# Allegro board 1140022-KU060_PCIE_FIBER_BOARD_V001_pcb166_20240120_1835_pcb.brd (continued)
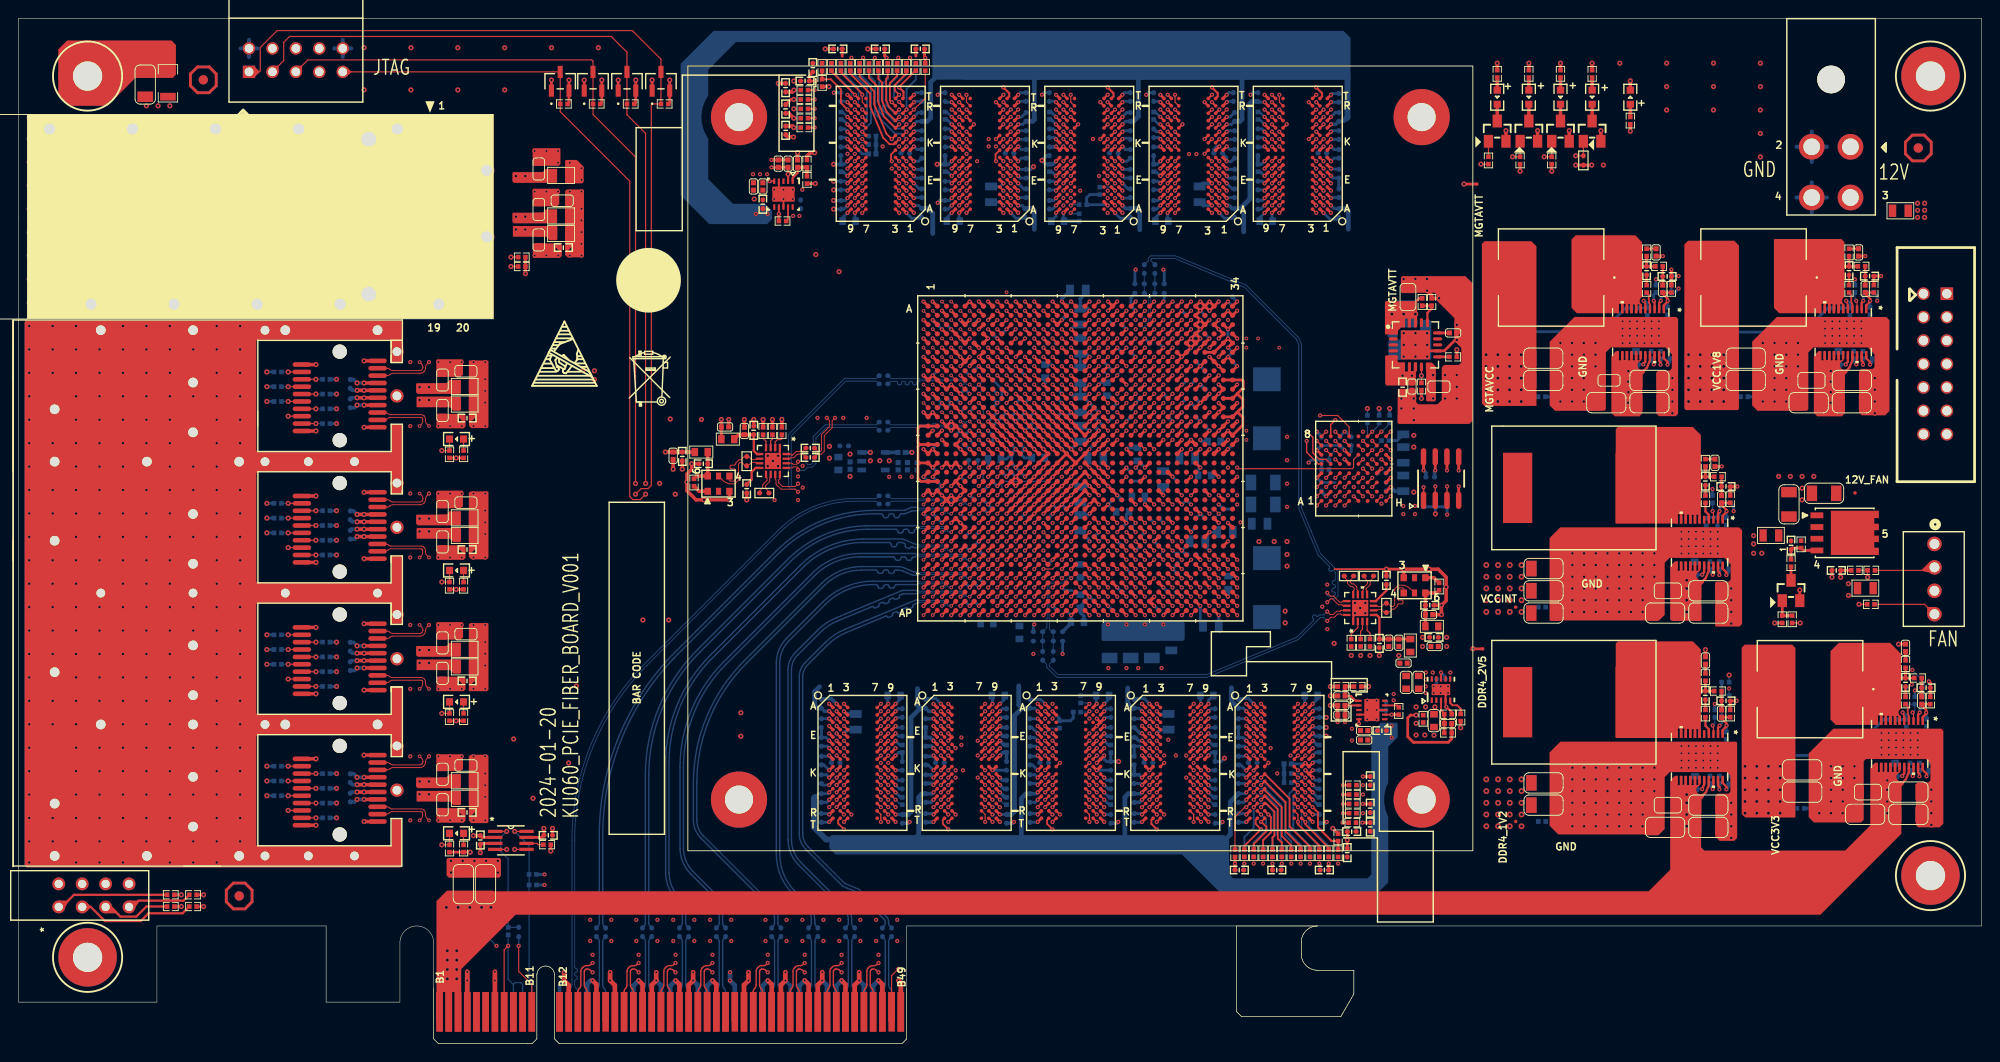
[diagram p0: board, top side]
## Routing (per net, layer and track width the routed paths; a pad name or vN(x,y) marks a point on that pad's centre or on a via; arc(x,y) is an arc through that point) (continued)
CHA_FPGA_DDR4_C1_DQS5_P: length 20.6
  TOP w0.145: v1(127.11,47.45) U1.AN29 ; U5.B7 v1(127.39,36.03)
  ART05 w0.102: v1(127.39,36.03) 127.71,36.03 127.81,36.13 127.81,36.98
  ART05 w0.14: 127.81,36.98 127.81,37.13 128.07,37.39 129.54,37.39 129.92,37.77 129.92,38.55 129.59,38.88 128.74,38.88 128.6,39.02 128.6,39.58 128.74,39.72 129.59,39.72 129.92,40.05 129.92,40.88 129.59,41.21 128.74,41.21 128.6,41.35 128.6,41.91 128.74,42.05 129.59,42.05 129.92,42.38 129.92,43.46 129.41,43.97 129.41,44.2 129.13,44.48 128.9,44.48 128.62,44.76 128.62,44.99 128.34,45.27 128.11,45.27 127.89,45.49 127.89,46.78 127.56,47.12 127.25,47.12 127.11,47.25 v1(127.11,47.45)
CHA_FPGA_DDR4_C1_DQS6_N: length 28.3
  TOP w0.145: U7.F3 v1(134.7,32.83)
  TOP w0.173: U1.AJ33 v1(131.11,51.45)
  ART03 w0.102: 132.54,50.79 132.52,50.79 132.45,50.85 131.74,50.85 131.5,51.09 131.5,51.7 131.35,51.85 131.21,51.85 131.11,51.75 v1(131.11,51.45)
  ART03 w0.14: v1(134.7,32.83) 134.93,32.6 135.12,32.6 135.25,32.74 135.25,37.64 133.87,39.02 133.17,39.02 132.84,39.36 132.84,40.19 133.17,40.52 133.57,40.52 133.71,40.66 133.71,41.35 133.57,41.49 132.94,41.49 132.61,41.83 132.61,42.66 132.94,42.99 133.37,42.99 133.5,43.13 133.5,43.69 133.37,43.83 132.94,43.83 132.61,44.16 132.61,44.99 132.94,45.32 133.59,45.32 133.73,45.46 133.73,49.93 133.58,50.09 133.3,50.09 133.04,50.34 133.04,50.62 132.87,50.79 132.54,50.79
CHA_FPGA_DDR4_C1_DQS6_P: length 29.3
  TOP w0.145: U7.G3 v1(134.7,32.03)
  TOP w0.173: U1.AH33 v1(131.11,52.45)
  ART03 w0.102: v1(131.11,52.45) 131.11,52.15 131.21,52.05 131.44,52.05 131.71,51.78 131.71,51.17 131.83,51.05 132.45,51.05 132.52,51.12 132.54,51.12
  ART03 w0.14: v1(134.7,32.03) 134.93,32.27 135.25,32.27 135.58,32.6 135.58,37.77 134,39.35 133.31,39.35 133.17,39.49 133.17,40.05 133.31,40.19 133.7,40.19 134.04,40.52 134.04,41.49 133.7,41.82 133.08,41.82 132.94,41.96 132.94,42.52 133.08,42.66 133.5,42.66 133.83,42.99 133.83,43.82 133.5,44.15 133.08,44.15 132.94,44.29 132.94,44.85 133.08,44.99 133.73,44.99 134.06,45.32 134.06,50.07 133.01,51.12 132.54,51.12
CHA_FPGA_DDR4_C1_DQS7_N: length 19
  TOP w0.145: U7.A7 v1(138.7,36.83)
  TOP w0.173: U1.AP34 v1(132.11,46.45)
  ART05 w0.14: v1(138.7,36.83) 138.76,36.89 138.76,37.42 138.56,37.62 138.56,37.98 138.76,38.18 138.76,38.7 138.35,39.11 138.16,39.11 137.56,38.52 137.1,38.52 136.51,39.11 136.51,39.58 137.1,40.17 137.1,40.36 136.7,40.76 136.51,40.76 135.92,40.17 135.45,40.17 134.86,40.76 134.86,41.23 135.45,41.82 135.45,42.01 133.91,43.55 133.91,45.97 133.09,46.79 132.44,46.79 v1(132.11,46.45)
CHA_FPGA_DDR4_C1_DQS7_P: length 20.3
  TOP w0.145: U7.B7 v1(138.7,36.03)
  TOP w0.173: U1.AN34 v1(132.11,47.45)
  ART05 w0.137: 139.1,37.12 139.1,36.43 v1(138.7,36.03)
  ART05 w0.14: 139.1,37.12 139.1,38.83 138.49,39.44 138.02,39.44 137.43,38.85 137.23,38.85 136.84,39.24 136.84,39.44 137.43,40.03 137.43,40.5 136.84,41.09 136.37,41.09 135.78,40.5 135.58,40.5 135.19,40.89 135.19,41.09 135.78,41.68 135.78,42.15 134.24,43.69 134.24,46.1 133.22,47.12 132.44,47.12 v1(132.11,47.45)
CHA_FPGA_DDR4_C1_DQS8_N: length 56.3
  TOP w0.145: v1(112.09,32.83) U6.F3 ; v1(112.11,55.45) U1.AE15
  ART10 w0.102: 127.45,46.96 127.45,46.99 127.51,47.05 127.51,51 126.5,52 126.5,54.77 125.42,55.85 115.87,55.85 114.87,54.85 112.78,54.85 112.51,55.12 112.51,55.35 112.4,55.45 v1(112.11,55.45)
  ART10 w0.14: 127.45,46.96 127.45,46.78 127.56,46.51 127.56,45.22 127.3,44.95 126.03,44.95 125.59,44.52 125.59,43.56 125.21,43.17 125.01,43.17 124.7,43.49 124.08,43.49 123.64,43.05 123.64,42.43 124.01,42.07 124.01,41.72 123.9,41.61 123.33,41.37 123.12,41.37 122.51,41.98 121.63,41.98 120.65,41.58 120.05,41.58 119.55,41.37 116.08,37.91 115.39,37.62 115.17,37.4 115.17,35.8 115.02,35.65 114.36,35.65 113.92,35.22 113.92,34.6 114.36,34.16 114.92,34.16 115.17,33.92 115.17,33.61 114.53,32.08 114.53,31.5 114.25,31.22 113.56,31.22 113.19,31.58 113.19,32.23 112.86,32.56 112.36,32.56 v1(112.09,32.83)
CHA_FPGA_DDR4_C1_DQS8_P: length 57.3
  TOP w0.145: v1(112.09,32.03) U6.G3 ; v1(113.11,55.45) U1.AE16
  ART10 w0.102: 127.77,46.96 127.77,46.99 127.71,47.05 127.71,51.08 126.71,52.08 126.71,54.85 125.51,56.05 115.78,56.05 114.79,55.05 112.86,55.05 112.71,55.21 112.71,55.35 112.81,55.45 v1(113.11,55.45)
  ART10 w0.14: 127.77,46.96 127.77,46.85 127.89,46.57 127.89,46.32 128.03,46.18 128.16,46.18 128.3,46.04 128.3,45.76 128.16,45.62 128.03,45.62 127.89,45.48 127.89,45.08 127.43,44.63 126.17,44.63 125.92,44.38 125.92,43.42 125.35,42.85 124.88,42.85 124.56,43.16 124.22,43.16 123.97,42.91 123.97,42.57 124.33,42.2 124.33,41.58 124.09,41.33 123.4,41.05 122.99,41.05 122.38,41.66 121.7,41.66 120.72,41.25 120.11,41.25 119.73,41.1 116.31,37.67 116.27,37.63 115.57,37.34 115.49,37.26 115.49,35.66 115.16,35.33 114.49,35.33 114.25,35.08 114.25,34.73 114.49,34.49 115.06,34.49 115.49,34.05 115.49,33.55 114.86,32.01 114.86,31.36 114.39,30.89 113.42,30.89 112.86,31.45 112.86,32.09 112.73,32.23 112.29,32.23 v1(112.09,32.03)
CHA_FPGA_DDR4_C1_ODT: length 123.5
  TOP w0.201: U4.K3 v1(100.79,28.83) ; U5.K3 v1(123.4,28.83) ; R107.1 140,21.34 137.79,23.55 137.79,26.53 U7.K3 v1(134.7,28.83) ; U6.K3 v1(112.09,28.83) ; U3.K3 v1(89.49,28.83)
  TOP w0.229: U1.AM15 v1(112.11,48.45)
  ART03 w0.137: v1(89.49,28.83) 89.09,29.23 89.09,29.84 88.99,29.93
  ART03 w0.155: 88.99,29.93 88.8,30.12 86.92,30.12 85.36,31.69 85.36,39.26 91.24,45.14 94.95,45.14 95.11,45.29 95.11,46.35 95.26,46.51 95.57,46.51 95.73,46.35 95.73,45.29 95.88,45.14 96.19,45.14 96.35,45.29 96.35,46.35 96.5,46.51 96.81,46.51 96.97,46.35 96.97,45.29 97.12,45.14 97.47,45.14 97.63,45.29 97.63,45.87 97.78,46.02 98.09,46.02 98.24,45.87 98.24,45.29 98.4,45.14 98.71,45.14 98.86,45.29 98.86,45.87 99.02,46.02 99.33,46.02 99.48,45.87 99.48,45.29 99.64,45.14 99.95,45.14 100.1,45.29 100.1,45.87 100.26,46.02 100.57,46.02 100.72,45.87 100.72,45.29 100.88,45.14 101.19,45.14 101.34,45.29 101.34,45.87 101.5,46.02 111.45,46.02 111.61,46.18 111.61,48.3 111.76,48.45 v1(112.11,48.45)
  ART12 w0.086: v1(134.7,28.83) 134.32,29.21 133.73,29.21 133.48,29.46 133.48,29.84 133.22,30.1 132.72,30.1 130.25,27.64 126.59,27.64 125.04,29.18 123.75,29.18 v1(123.4,28.83) 123.02,29.21 122.43,29.21 122.17,29.46 120.78,29.46 118.95,27.64 115.43,27.64 115.19,27.73 114.36,28.56 114.36,28.68 114.42,28.74 114.42,28.86 114.3,28.98 114.18,28.98 114.12,28.93 114,28.93 113.74,29.18 113.25,29.18 113.17,29.1 113.17,28.94 113.08,28.85 112.91,28.85 112.82,28.94 112.82,29.1 112.73,29.18 112.45,29.18 v1(112.09,28.83) 111.71,29.21 111.12,29.21 110.87,29.46 110.87,29.84 110.62,30.1 110.11,30.1 107.65,27.64 103.99,27.64 102.56,29.06 102.2,29.21 101.17,29.21 v1(100.79,28.83) 100.41,29.21 99.82,29.21 99.57,29.46 99.57,29.84 99.39,30.02 98.73,30.02 96.34,27.64 92.68,27.64 92.25,28.07 92.25,28.19 92.32,28.26 92.32,28.38 92.2,28.5 92.08,28.5 92.01,28.43 91.89,28.43 91.49,28.83 v1(89.49,28.83)
CHA_FPGA_DDR4_C1_PARITY: length 118.9
  TOP w0.201: U6.T3 v1(112.09,24.03) ; U3.T3 v1(89.49,24.03) ; U5.T3 v1(123.4,24.03) ; U4.T3 v1(100.79,24.03) ; R112.1 133.9,21.64 135.28,23.01 135.28,23.5 134.74,24.03 v1(134.7,24.03) U7.T3
  TOP w0.229: U1.AJ16 v1(113.11,51.45)
  ART05 w0.155: v1(89.49,24.03) 88.65,24.03 88.19,23.57 87.66,23.57 86.68,24.55 86.42,24.55 86.12,24.24 85.86,24.24 85.68,24.43 85.68,24.68 85.98,24.98 85.98,25.24 85.8,25.42 85.55,25.42 85.24,25.12 84.99,25.12 84.81,25.3 84.81,25.56 85.11,25.86 85.11,26.12 84.71,26.52 84.71,39.14 90.07,44.5 106.2,44.5 108.78,45.57 109.35,45.8 109.55,46 109.55,46.56 109.98,46.99 110.36,46.99 110.67,47.29 110.67,47.65 110.92,47.9 111.45,47.9 111.61,48.06 111.61,48.69 111.84,48.92 112.22,48.92 112.57,49.28 112.57,50.67 113.11,51.21 v1(113.11,51.45)
  ART12 w0.086: v1(134.7,24.03) 134.7,23.78 132.54,21.62 126.16,21.62 124.34,23.43 124.22,23.43 124.14,23.35 124.02,23.35 123.9,23.47 123.9,23.6 123.98,23.68 123.98,23.8 123.75,24.03 v1(123.4,24.03) 123.4,23.78 121.23,21.62 114.86,21.62 113.04,23.43 112.92,23.43 112.84,23.35 112.72,23.35 112.59,23.47 112.59,23.6 112.67,23.68 112.67,23.8 112.44,24.03 v1(112.09,24.03) 112.09,23.78 109.93,21.62 103.56,21.62 101.74,23.43 101.62,23.43 101.53,23.35 101.41,23.35 101.29,23.47 101.29,23.6 101.37,23.68 101.37,23.8 101.14,24.03 v1(100.79,24.03) 100.79,23.78 98.63,21.62 92.25,21.62 90.43,23.43 90.31,23.43 90.23,23.35 90.11,23.35 89.99,23.47 89.99,23.6 90.07,23.68 90.07,23.8 89.84,24.03 v1(89.49,24.03)
CHA_FPGA_DDR4_C1_RAS: length 120.2
  TOP w0.201: U3.L8 v1(94.29,28.03) ; U4.L8 v1(105.59,28.03) ; U5.L8 v1(128.2,28.03) ; U7.L8 v1(139.5,28.03) ; U6.L8 v1(116.89,28.03)
  TOP w0.229: R104.1 v1(143.58,28.02) ; U1.AK18 v1(116.11,50.45)
  ART03 w0.137: 87.07,32.13 87.57,31.63 91.18,31.63 91.32,31.49 91.32,30.92 91.45,30.78 91.73,30.78 91.87,30.92 91.87,31.49 92,31.63 92.28,31.63 92.41,31.49 92.41,30.92 92.55,30.78 92.83,30.78 92.96,30.92 92.96,31.49 93.1,31.63 93.77,31.63 93.88,31.52 93.88,28.43 v1(94.29,28.03)
  ART03 w0.155: 87.07,32.13 86.88,32.32 86.88,38.24 92.3,43.66 113,43.66 115.57,46.23 115.57,50.04 115.98,50.45 v1(116.11,50.45)
  ART10 w0.086: 140.58,28.43 139.97,28.43 139.58,28.03 v1(139.5,28.03) 139.28,28.03 138.89,27.64 136.51,27.64 136.41,27.53 136.41,27.3 136.31,27.2 136.11,27.2 136.01,27.3 136.01,27.53 135.9,27.64 132.26,27.64 130.66,29.24 130.18,29.24 129.92,28.98 129.67,28.98 129.41,29.24 128.73,29.24 128.6,29.11 128.6,28.65 128.2,28.25 v1(128.2,28.03) 127.98,28.03 127.58,27.64 125.21,27.64 125.11,27.53 125.11,27.3 125.01,27.2 124.81,27.2 124.7,27.3 124.7,27.53 124.6,27.64 120.95,27.64 119.35,29.24 118.87,29.24 118.62,28.98 118.36,28.98 118.11,29.24 117.42,29.24 117.3,29.11 117.3,28.65 116.89,28.25 v1(116.89,28.03) 116.68,28.03 116.28,27.64 113.91,27.64 113.81,27.53 113.81,27.3 113.71,27.2 113.5,27.2 113.4,27.3 113.4,27.53 113.3,27.64 109.65,27.64 108.05,29.24 107.57,29.24 107.32,28.98 107.06,28.98 106.81,29.24 106.12,29.24 105.99,29.11 105.99,28.65 105.59,28.25 v1(105.59,28.03) 105.37,28.03 104.98,27.64 102.61,27.64 102.5,27.53 102.5,27.3 102.4,27.2 102.2,27.2 102.1,27.3 102.1,27.53 102,27.64 98.35,27.64 96.75,29.24 96.27,29.24 96.01,28.98 95.76,28.98 95.5,29.24 94.82,29.24 94.69,29.11 94.69,28.65 94.29,28.25 v1(94.29,28.03)
  ART10 w0.155: 140.58,28.43 141.62,28.43 142.03,28.02 v1(143.58,28.02)
CHA_FPGA_DDR4_C1_RESET: length 103.8
  TOP w0.127: v1(133.1,25.63) 132.95,25.63 131.87,24.56 R82.2 ; v1(111.11,51.45) 112.11,51.45 U1.AJ15
  TOP w0.155: U3.P1 v1(87.89,25.63) ; U7.P1 v1(133.1,25.63) ; U6.P1 v1(110.49,25.63) ; U4.P1 v1(99.19,25.63) ; U5.P1 v1(121.8,25.63)
  ART03 w0.086: v1(87.89,25.63) 88.12,25.63 88.52,26.04 88.82,26.04 89.08,26.29 89.08,26.59 89.31,26.82 92.18,26.82 92.96,26.04 98.79,26.04 v1(99.19,25.63) 99.59,26.04 110.09,26.04 v1(110.49,25.63) 110.9,26.04 121.39,26.04 v1(121.8,25.63) 122.02,25.63 122.43,26.04 132.7,26.04 v1(133.1,25.63)
  ART10 w0.086: v1(111.11,51.45) 110.64,50.99 110.64,47.99 110.56,47.9 109.86,47.9 109.68,47.73 109.68,47.35 109.35,47.02 105.41,47.02 104.65,47.78 104.65,48.77 104.5,48.92 97,48.92 87.82,39.74 87.82,38.01 87.43,37.62 87.43,26.09 v1(87.89,25.63)
CHA_FPGA_DDR4_C1_WE: length 119.9
  TOP w0.201: U7.L2 v1(133.9,28.03) ; U4.L2 v1(99.99,28.03) ; U5.L2 v1(122.6,28.03) ; U3.L2 v1(88.69,28.03) ; U6.L2 v1(111.29,28.03)
  TOP w0.229: U1.AL14 v1(111.11,49.45)
  ART03 w0.137: 87.5,27.63 88.55,27.63 88.69,27.77 v1(88.69,28.03)
  ART03 w0.155: v1(111.11,49.45) 110.72,49.45 110.21,49.96 97.54,49.96 97.39,50.12 97.39,50.47 97.23,50.62 96.92,50.62 96.77,50.47 96.77,49.61 96.61,49.45 96.3,49.45 96.15,49.61 96.15,50.47 95.99,50.62 95.68,50.62 95.53,50.47 95.53,49.63 95.35,49.45 95.06,49.45 94.91,49.61 94.91,50.39 94.75,50.55 94.44,50.55 94.29,50.39 94.29,49.89 94.13,49.73 93.29,49.73 83.78,40.22 83.78,31.08 87.23,27.63 87.5,27.63
  ART12 w0.086: v1(133.9,28.03) 133.9,28.23 133.48,28.65 133.48,29.08 133.35,29.21 132.59,29.21 130.23,26.85 126.82,26.85 125.51,28.16 124.81,28.45 123.35,28.45 122.67,28.08 v1(122.6,28.03) 122.6,28.23 122.17,28.65 122.17,29.08 122.05,29.21 121.28,29.21 118.92,26.85 115.52,26.85 114.21,28.16 113.51,28.45 112.05,28.45 111.37,28.08 v1(111.29,28.03) 111.29,28.23 110.87,28.65 110.87,29.08 110.74,29.21 109.98,29.21 107.62,26.85 104.22,26.85 102.9,28.16 102.21,28.45 100.75,28.45 100.07,28.08 v1(99.99,28.03) 99.99,28.23 99.57,28.65 99.57,29.08 99.44,29.21 98.68,29.21 96.32,26.85 92.91,26.85 91.6,28.16 90.9,28.45 89.45,28.45 88.76,28.08 v1(88.69,28.03)
  BOTTOM w0.127: v1(133.9,28.03) 134.29,27.64 135.12,27.64 135.17,27.58
  BOTTOM w0.201: 135.17,27.58 136.85,25.91 136.85,22.01 136.95,21.9 R106.1
CHA_FPGA_DDR4_C2_A0: length 125.5
  TOP w0.201: U11.P3 94.35,101.59 94.06,102.3 94.06,104.6 94.23,104.77 R129.1
  TOP w0.229: U10.P3 v1(140.68,101.27) ; U13.P3 v1(106.77,101.27) ; U12.P3 v1(118.07,101.27) ; U11.P3 v1(95.47,101.27) ; U9.P3 v1(129.38,101.27) ; U1.E25 v1(123.11,76.45)
  ART05 w0.086: v1(140.68,101.27) 140.43,101.27 139.91,101.49 137.24,104.17 132.94,104.17 130.87,103.31 130.56,103 130.56,102.59 130.06,102.1 130.06,101.84 129.49,101.27 v1(129.38,101.27) 129.13,101.27 128.61,101.49 125.93,104.17 121.63,104.17 119.56,103.31 119.25,103 119.25,102.59 118.76,102.1 118.76,101.84 118.19,101.27 v1(118.07,101.27) 117.83,101.27 117.31,101.49 114.63,104.17 110.33,104.17 108.26,103.31 107.95,103 107.95,102.59 107.45,102.1 107.45,101.84 106.88,101.27 v1(106.77,101.27) 106.53,101.27 106.01,101.49 103.33,104.17 99.03,104.17 96.96,103.31 96.65,103 96.65,102.59 96.15,102.1 96.15,101.84 95.58,101.27 v1(95.47,101.27)
  ART12 w0.155: v1(140.68,101.27) 140.3,101.65 139.62,101.65 139.32,101.96 139.32,104.29 140.18,105.16 143.05,105.16 146.33,101.88 146.33,87.89 146.09,87.3 137.66,78.87 137.44,78.87 137.21,79.1 136.99,79.1 136.77,78.88 136.77,78.66 137,78.43 137,78.21 136.78,77.99 136.56,77.99 136.33,78.22 136.11,78.22 135.89,78.01 135.89,77.79 136.12,77.55 136.12,77.34 135.9,77.12 135.69,77.12 135.45,77.35 135.24,77.35 135.02,77.13 135.02,76.91 135.25,76.68 135.25,76.46 132.83,74.04 131.9,74.04 130.89,73.03 128.78,73.03 128.6,73.2 128.6,73.66 128.35,73.91 124.97,73.91 124.66,74.22 124.66,74.6 124.31,74.96 123.93,74.96 123.6,75.29 123.6,76.3 123.44,76.45 v1(123.11,76.45)
CHA_FPGA_DDR4_C2_A1: length 121.1
  TOP w0.229: U12.P7 v1(114.07,101.27) ; U10.P7 v1(136.68,101.27) ; U13.P7 v1(102.77,101.27) ; v1(127.11,79.45) U1.B29 ; U11.P7 v1(91.47,101.27) ; U9.P7 v1(125.38,101.27)
  ART03 w0.086: v1(91.47,101.27) 92.65,101.27 94.66,103.28 97.38,103.28 98.98,101.68 99.96,101.68 100.05,101.76 100.05,101.87 100.14,101.96 100.31,101.96 100.4,101.87 100.4,101.76 100.48,101.68 101.32,101.68 101.57,101.42 101.57,101.09 101.8,100.87 102.19,100.87 102.59,101.27 v1(102.77,101.27) 103.95,101.27 105.96,103.28 108.68,103.28 110.29,101.68 111.27,101.68 111.35,101.76 111.35,101.87 111.44,101.96 111.61,101.96 111.7,101.87 111.7,101.76 111.78,101.68 112.62,101.68 112.88,101.42 112.88,101.09 113.1,100.87 113.49,100.87 113.89,101.27 v1(114.07,101.27) 115.25,101.27 117.26,103.28 119.99,103.28 121.59,101.68 122.57,101.68 122.66,101.76 122.66,101.87 122.74,101.96 122.91,101.96 123,101.87 123,101.76 123.09,101.68 123.93,101.68 124.18,101.42 124.18,101.09 124.4,100.87 124.79,100.87 125.2,101.27 v1(125.38,101.27) 126.56,101.27 128.57,103.28 131.29,103.28 132.89,101.68 133.87,101.68 133.96,101.76 133.96,101.87 134.04,101.96 134.22,101.96 134.3,101.87 134.3,101.76 134.39,101.68 135.23,101.68 135.48,101.42 135.48,101.09 135.71,100.87 136.1,100.87 136.5,101.27 v1(136.68,101.27)
  ART03 w0.155: v1(136.68,101.27) 137.58,101.27 138.63,102.33 138.63,103.55 139.71,104.62 142.18,104.62 143.23,103.57 143.23,89.28 142.7,88.75 142.7,83.16 141.47,81.93 140.8,81.93 140.65,82.08 140.65,82.5 140.49,82.65 140.18,82.65 140.03,82.5 140.03,82.08 139.87,81.93 139.56,81.93 139.41,82.08 139.41,82.5 139.25,82.65 138.94,82.65 138.79,82.5 138.79,82.08 138.63,81.93 138.32,81.93 138.17,82.08 138.17,82.5 138.01,82.65 137.71,82.65 137.55,82.5 137.55,82.08 137.4,81.93 137.09,81.93 136.93,82.08 136.93,82.5 136.78,82.65 136.47,82.65 136.31,82.5 136.31,82.08 136.16,81.93 135.85,81.93 135.69,82.08 135.69,82.5 135.54,82.65 135.23,82.65 135.07,82.5 135.07,82.08 134.92,81.93 134.61,81.93 134.45,82.08 134.45,82.5 134.3,82.65 133.99,82.65 133.83,82.5 133.83,82.08 133.68,81.93 133.37,81.93 133.21,82.08 133.21,82.5 133.06,82.65 132.75,82.65 132.59,82.5 132.59,82.08 132.44,81.93 132.13,81.93 131.97,82.08 131.97,82.5 131.82,82.65 131.51,82.65 131.35,82.5 131.35,82.08 131.2,81.93 130.89,81.93 130.73,82.08 130.73,82.5 130.58,82.65 130.27,82.65 130.11,82.5 130.11,82.08 129.96,81.93 129.64,81.93 128.6,80.89 128.6,80.16 128.37,79.93 127.81,79.93 127.33,79.45 v1(127.11,79.45)
  BOTTOM w0.127: 91.06,103.58 91.06,101.68 v1(91.47,101.27)
  BOTTOM w0.201: R130.1 91.06,103.58
CHA_FPGA_DDR4_C2_A2: length 123.9
  TOP w0.201: v1(94.67,102.07) 94.46,102.28 94.46,104.14 95.25,104.92 R131.1
  TOP w0.229: U9.R3 v1(128.58,102.07) ; U12.R3 v1(117.27,102.07) ; U1.E26 v1(124.11,76.45) ; U11.R3 v1(94.67,102.07) ; U13.R3 v1(105.97,102.07) ; U10.R3 v1(139.88,102.07)
  ART05 w0.086: v1(139.88,102.07) 137.51,104.44 132.69,104.44 130.82,103.67 130.3,103.15 130.3,102.74 129.79,102.23 129.79,101.93 129.54,101.68 128.97,101.68 v1(128.58,102.07) 126.2,104.44 121.39,104.44 119.52,103.67 119,103.15 119,102.74 118.49,102.23 118.49,101.93 118.24,101.68 117.67,101.68 v1(117.27,102.07) 114.9,104.44 110.09,104.44 108.22,103.67 107.7,103.15 107.7,102.74 107.19,102.23 107.19,101.93 106.93,101.68 106.37,101.68 v1(105.97,102.07) 103.6,104.44 98.65,104.44 97.01,103.76 96.39,103.15 96.39,102.74 95.89,102.23 95.89,101.93 95.66,101.7 95.04,101.7 v1(94.67,102.07)
  ART12 w0.155: v1(139.88,102.07) 139.75,102.2 139.75,104.01 140.39,104.65 142.85,104.65 145.8,101.7 145.8,88.57 145.52,88.3 145.52,88.08 145.72,87.88 145.72,87.66 145.5,87.44 145.29,87.44 145.09,87.64 144.87,87.64 144.65,87.42 144.65,87.2 144.85,87 144.85,86.78 144.63,86.56 144.41,86.56 144.21,86.76 143.99,86.76 143.8,86.57 143.8,86.35 144.02,86.13 144.02,85.91 143.8,85.69 143.58,85.69 143.36,85.91 143.14,85.91 142.92,85.69 142.92,85.47 143.14,85.25 143.14,85.03 142.93,84.81 142.71,84.81 142.48,85.04 142.26,85.04 142.04,84.82 142.04,84.6 142.27,84.37 142.27,84.15 142.05,83.93 141.83,83.93 141.6,84.16 141.39,84.16 141.17,83.94 141.17,83.72 141.39,83.49 141.39,83.28 141.17,83.06 140.95,83.06 140.73,83.28 140.51,83.28 140.29,83.06 140.29,82.84 140.51,82.62 140.51,82.4 140.29,82.18 140.08,82.18 139.85,82.41 139.63,82.41 139.41,82.19 139.41,81.97 139.64,81.74 139.64,81.52 139.42,81.3 139.2,81.3 138.97,81.53 138.75,81.53 138.54,81.31 138.54,81.09 138.76,80.86 138.76,80.65 138.54,80.43 138.32,80.43 138.1,80.65 137.88,80.65 137.61,80.39 137.61,80.17 137.81,79.97 137.81,79.75 137.59,79.53 137.38,79.53 137.18,79.73 136.96,79.73 133.67,76.44 133.67,76.13 133.49,75.95 132.92,75.95 132.61,75.64 132.61,75.31 131.22,73.91 128.96,73.91 128.4,74.47 126.9,74.47 126.44,74.93 124.97,74.93 124.59,75.31 124.59,76.3 124.43,76.45 v1(124.11,76.45)
CHA_FPGA_DDR4_C2_A3: length 122
  TOP w0.229: U1.A28 v1(126.11,80.45) ; U13.N7 v1(102.77,100.47) ; R132.1 v1(86.31,101.35) ; U12.N7 v1(114.07,100.47) ; U11.N7 v1(91.47,100.47) ; U10.N7 v1(136.68,100.47) ; U9.N7 v1(125.38,100.47)
  ART03 w0.086: 89.71,100.05 90.83,100.05 91.25,100.47 v1(91.47,100.47) 92.86,100.47 94.07,101.68 97.59,101.68 99.18,100.08 99.56,100.08 99.64,100.17 99.64,100.42 99.73,100.51 99.9,100.51 99.99,100.42 99.99,100.17 100.08,100.08 100.25,100.08 100.33,100.17 100.33,100.4 100.42,100.48 100.59,100.48 100.68,100.4 100.68,100.17 100.77,100.08 102.21,100.08 102.49,100.2 102.77,100.47 v1(102.77,100.47) 104.17,100.47 105.37,101.68 108.89,101.68 110.49,100.08 110.86,100.08 110.95,100.17 110.95,100.42 111.03,100.51 111.21,100.51 111.29,100.42 111.29,100.17 111.38,100.08 111.55,100.08 111.64,100.17 111.64,100.4 111.72,100.48 111.9,100.48 111.98,100.4 111.98,100.17 112.07,100.08 113.52,100.08 113.8,100.2 114.07,100.47 v1(114.07,100.47) 115.47,100.47 116.67,101.68 120.19,101.68 121.79,100.08 122.16,100.08 122.25,100.17 122.25,100.42 122.34,100.51 122.51,100.51 122.6,100.42 122.6,100.17 122.68,100.08 122.85,100.08 122.94,100.17 122.94,100.4 123.03,100.48 123.2,100.48 123.29,100.4 123.29,100.17 123.37,100.08 124.82,100.08 125.1,100.2 125.37,100.47 v1(125.38,100.47) 126.77,100.47 127.98,101.68 131.5,101.68 133.09,100.08 133.47,100.08 133.55,100.17 133.55,100.42 133.64,100.51 133.81,100.51 133.9,100.42 133.9,100.17 133.98,100.08 134.16,100.08 134.24,100.17 134.24,100.4 134.33,100.48 134.5,100.48 134.59,100.4 134.59,100.17 134.68,100.08 136.12,100.08 136.4,100.2 136.68,100.47 v1(136.68,100.47)
  ART03 w0.155: 89.71,100.05 88.44,100.05 87.15,101.35 v1(86.31,101.35)
  ART10 w0.137: 142.72,102.49 142.7,102.47 140.41,102.47
  ART10 w0.155: v1(136.68,100.47) 138.7,102.49 140.39,102.49 140.41,102.47 ; v1(126.11,80.45) 126.97,81.31 127.44,81.51 127.87,81.69 142.82,81.69 146.15,85.01 146.15,85.23 145.79,85.6 145.79,85.82 146.01,86.04 146.22,86.04 146.59,85.67 146.81,85.67 147.03,85.89 147.03,86.11 146.66,86.47 146.66,86.69 146.88,86.91 147.1,86.91 147.47,86.55 147.69,86.55 147.9,86.77 147.9,86.99 147.54,87.35 147.54,87.57 147.76,87.79 147.98,87.79 148.34,87.42 148.56,87.42 148.74,87.6 148.74,101.35 147.6,102.49 142.72,102.49
CHA_FPGA_DDR4_C2_A4: length 128
  TOP w0.201: R133.1 93.21,104.6 93.6,104.22 93.6,102.27 94.12,101.02 U11.N3
  TOP w0.229: U1.E23 v1(121.11,76.45) ; U12.N3 v1(118.07,100.47) ; U9.N3 v1(129.38,100.47) ; U11.N3 v1(95.47,100.47) ; U10.N3 v1(140.68,100.47) ; U13.N3 v1(106.77,100.47)
  ART05 w0.086: v1(140.68,100.47) 140.04,100.47 136.95,103.56 134.06,103.56 133.2,103.21 132.54,102.54 131.24,101.68 130.77,101.68 130.6,101.5 130.6,101.12 130.34,100.87 130.11,100.87 129.74,100.71 v1(129.38,100.47) 128.74,100.47 125.65,103.56 122.76,103.56 121.9,103.21 121.24,102.54 119.94,101.68 119.47,101.68 119.29,101.5 119.29,101.12 119.04,100.87 118.81,100.87 118.44,100.71 v1(118.07,100.47) 117.44,100.47 114.35,103.56 111.45,103.56 110.6,103.21 109.93,102.54 108.64,101.68 108.16,101.68 107.99,101.5 107.99,101.12 107.74,100.87 107.51,100.87 107.13,100.71 v1(106.77,100.47) 106.13,100.47 103.04,103.56 100.15,103.56 99.29,103.21 98.63,102.54 97.33,101.68 96.86,101.68 96.69,101.5 96.69,101.12 96.43,100.87 96.2,100.87 95.83,100.71 v1(95.47,100.47)
  ART12 w0.155: v1(140.68,100.47) 140.04,100.9 139.37,101.35 138.91,101.8 138.91,104.52 139.95,105.56 143.31,105.56 146.81,102.06 146.81,87.83 146.45,86.97 132.39,72.9 130.17,71.98 129.05,71.98 128.83,72.08 128.42,72.49 125.98,72.97 125.15,72.97 124.84,73.1 124.72,73.22 124.52,73.7 124.34,73.88 123.86,74.08 123.7,74.24 123.43,74.89 122.54,75.78 121.73,76.12 v1(121.11,76.45)
CHA_FPGA_DDR4_C2_A5: length 127.8
  TOP w0.229: U10.P8 v1(135.88,101.27) ; U9.P8 v1(124.58,101.27) ; U11.P8 v1(90.67,101.27) ; U12.P8 v1(113.27,101.27) ; U1.D25 v1(123.11,77.45) ; R134.1 v1(86.31,103.38) ; U13.P8 v1(101.97,101.27)
  ART03 w0.086: 89.64,101.68 90.07,101.68 90.47,101.27 v1(90.67,101.27) 91.12,101.73 92.34,101.73 94.68,104.06 96.17,104.06 97.77,103.4 98.7,102.46 100.03,102.46 100.08,102.51 100.5,102.51 100.55,102.46 101.35,102.46 101.57,102.23 101.57,101.9 101.97,101.51 v1(101.97,101.27) 102.43,101.73 103.64,101.73 105.98,104.06 107.47,104.06 109.07,103.4 110.01,102.46 111.33,102.46 111.38,102.51 111.8,102.51 111.85,102.46 112.65,102.46 112.88,102.23 112.88,101.9 113.27,101.51 v1(113.27,101.27) 113.73,101.73 114.95,101.73 117.28,104.06 118.77,104.06 120.37,103.4 121.31,102.46 122.63,102.46 122.69,102.51 123.1,102.51 123.15,102.46 123.95,102.46 124.18,102.23 124.18,101.9 124.58,101.51 v1(124.58,101.27) 125.03,101.73 126.25,101.73 128.59,104.06 130.08,104.06 131.68,103.4 132.61,102.46 133.94,102.46 133.99,102.51 134.4,102.51 134.46,102.46 135.25,102.46 135.48,102.23 135.48,101.9 135.88,101.51 v1(135.88,101.27)
  ART03 w0.155: v1(135.88,101.27) 136.04,101.27 136.53,101.75 137.38,101.75 138.15,102.53 138.15,103.75 139.51,105.11 142.38,105.11 143.69,103.8 143.69,89.85 143.84,89.69 144.32,89.69 144.48,89.54 144.48,89.18 144.32,89.02 143.59,89.02 143.43,88.87 143.43,88.56 143.59,88.4 144.32,88.4 144.48,88.25 144.48,87.94 144.32,87.78 143.44,87.78 143.28,87.63 143.28,87.32 143.44,87.16 144.32,87.16 144.48,87.01 144.48,86.7 144.32,86.54 143.46,86.54 143.31,86.39 143.31,86.08 143.46,85.92 144.32,85.92 144.48,85.77 144.48,85.46 144.32,85.3 143.61,85.3 143.46,85.15 143.46,84.84 143.61,84.68 143.94,84.68 144.09,84.53 144.09,83.82 141.74,81.47 129.86,81.47 129.67,81.28 129.67,80.14 129.46,79.93 128.88,79.93 128.6,79.65 128.6,79.27 128.24,78.92 126.9,78.92 126.57,78.59 126.57,78.27 126.17,77.88 123.7,77.88 123.27,77.45 v1(123.11,77.45) ; v1(86.31,103.38) 86.89,103.38 88.6,101.68 89.64,101.68
CHA_FPGA_DDR4_C2_A6: length 122
  TOP w0.229: U13.P2 v1(107.57,101.27) ; U12.P2 v1(118.87,101.27) ; U9.P2 v1(130.18,101.27) ; U1.D28 v1(126.11,77.45) ; U11.P2 v1(96.27,101.27) ; U10.P2 v1(141.48,101.27)
  ART05 w0.086: v1(141.48,101.27) 141.25,101.27 140.87,100.89 140.03,100.89 137.06,103.86 134.04,103.86 133.1,103.57 132.36,103.08 131.05,102.46 130.81,102.46 130.34,102 130.34,101.44 v1(130.18,101.27) 129.95,101.27 129.57,100.89 128.73,100.89 125.76,103.86 122.73,103.86 121.79,103.57 121.06,103.08 119.75,102.46 119.51,102.46 119.04,102 119.04,101.44 v1(118.87,101.27) 118.64,101.27 118.26,100.89 117.42,100.89 114.45,103.86 111.43,103.86 110.49,103.57 109.75,103.08 108.45,102.46 108.2,102.46 107.74,102 107.74,101.44 v1(107.57,101.27) 107.34,101.27 106.96,100.89 106.12,100.89 103.15,103.86 100.13,103.86 99.19,103.57 98.45,103.08 97.14,102.46 96.9,102.46 96.43,102 96.43,101.44 v1(96.27,101.27)
  ART12 w0.137: 142.65,101.67 141.62,101.67 141.48,101.54 v1(141.48,101.27)
  ART12 w0.155: v1(126.11,77.45) 126.11,77.82 126.26,77.98 128.48,77.98 128.64,77.82 128.64,77.62 128.79,77.47 129.1,77.47 129.26,77.62 129.26,77.82 129.41,77.98 131.44,77.98 131.62,78.16 131.62,81.07 131.44,81.25 131.44,81.47 131.66,81.69 131.87,81.69 132.06,81.51 132.28,81.51 132.5,81.73 132.5,81.94 132.08,82.36 132.08,82.58 132.3,82.8 132.52,82.8 132.94,82.38 133.16,82.38 133.38,82.6 133.38,82.82 132.96,83.24 132.96,83.46 133.18,83.68 133.4,83.68 133.82,83.26 134.03,83.26 134.25,83.48 134.25,83.7 133.84,84.11 133.84,84.33 134.06,84.55 134.28,84.55 134.69,84.14 134.91,84.14 135.13,84.36 135.13,84.57 134.71,84.99 134.71,85.21 134.93,85.43 135.15,85.43 135.57,85.01 135.79,85.01 139.1,88.33 139.32,88.33 139.42,88.23 139.64,88.23 139.86,88.45 139.86,88.67 139.76,88.77 139.76,88.98 140.23,89.46 140.74,89.46 140.9,89.3 140.9,88.22 141.05,88.06 141.36,88.06 141.52,88.22 141.52,89.3 141.67,89.46 141.98,89.46 142.14,89.3 142.14,88.22 142.29,88.06 142.6,88.06 142.76,88.22 142.76,89.08 142.91,89.23 143.58,89.23 143.74,89.39 143.74,89.8 143.58,89.95 142.88,89.95 142.72,90.11 142.72,90.42 142.88,90.57 143.58,90.57 143.74,90.73 143.74,91.04 143.58,91.19 142.88,91.19 142.72,91.35 142.72,91.66 142.88,91.81 143.58,91.81 143.74,91.97 143.74,92.28 143.58,92.43 142.88,92.43 142.72,92.59 142.72,92.9 142.88,93.05 143.58,93.05 143.74,93.21 143.74,93.52 143.58,93.67 142.88,93.67 142.72,93.83 142.72,94.14 142.88,94.29 143.58,94.29 143.74,94.45 143.74,95.02 143.58,95.18 143.51,95.18 143.36,95.33 143.36,95.64 143.51,95.79 143.58,95.79 143.74,95.95 143.74,101.09 143.16,101.67 142.65,101.67